# Altium PCB PCB22.PcbDoc (part 6 of 16)
Units mm, origin at the board's own origin, x right, y up, seen from the top; angles counter-clockwise.
Board outline 233.7 x 110.51 mm, 4 copper layers (Top Layer, Layer 1, Layer 2, Bottom Layer), stack 0.603 mm thick; 1249 components, 1355 nets, 4549 pads, 1315 vias.
Unrouted connection lines stored in the file: 1569.
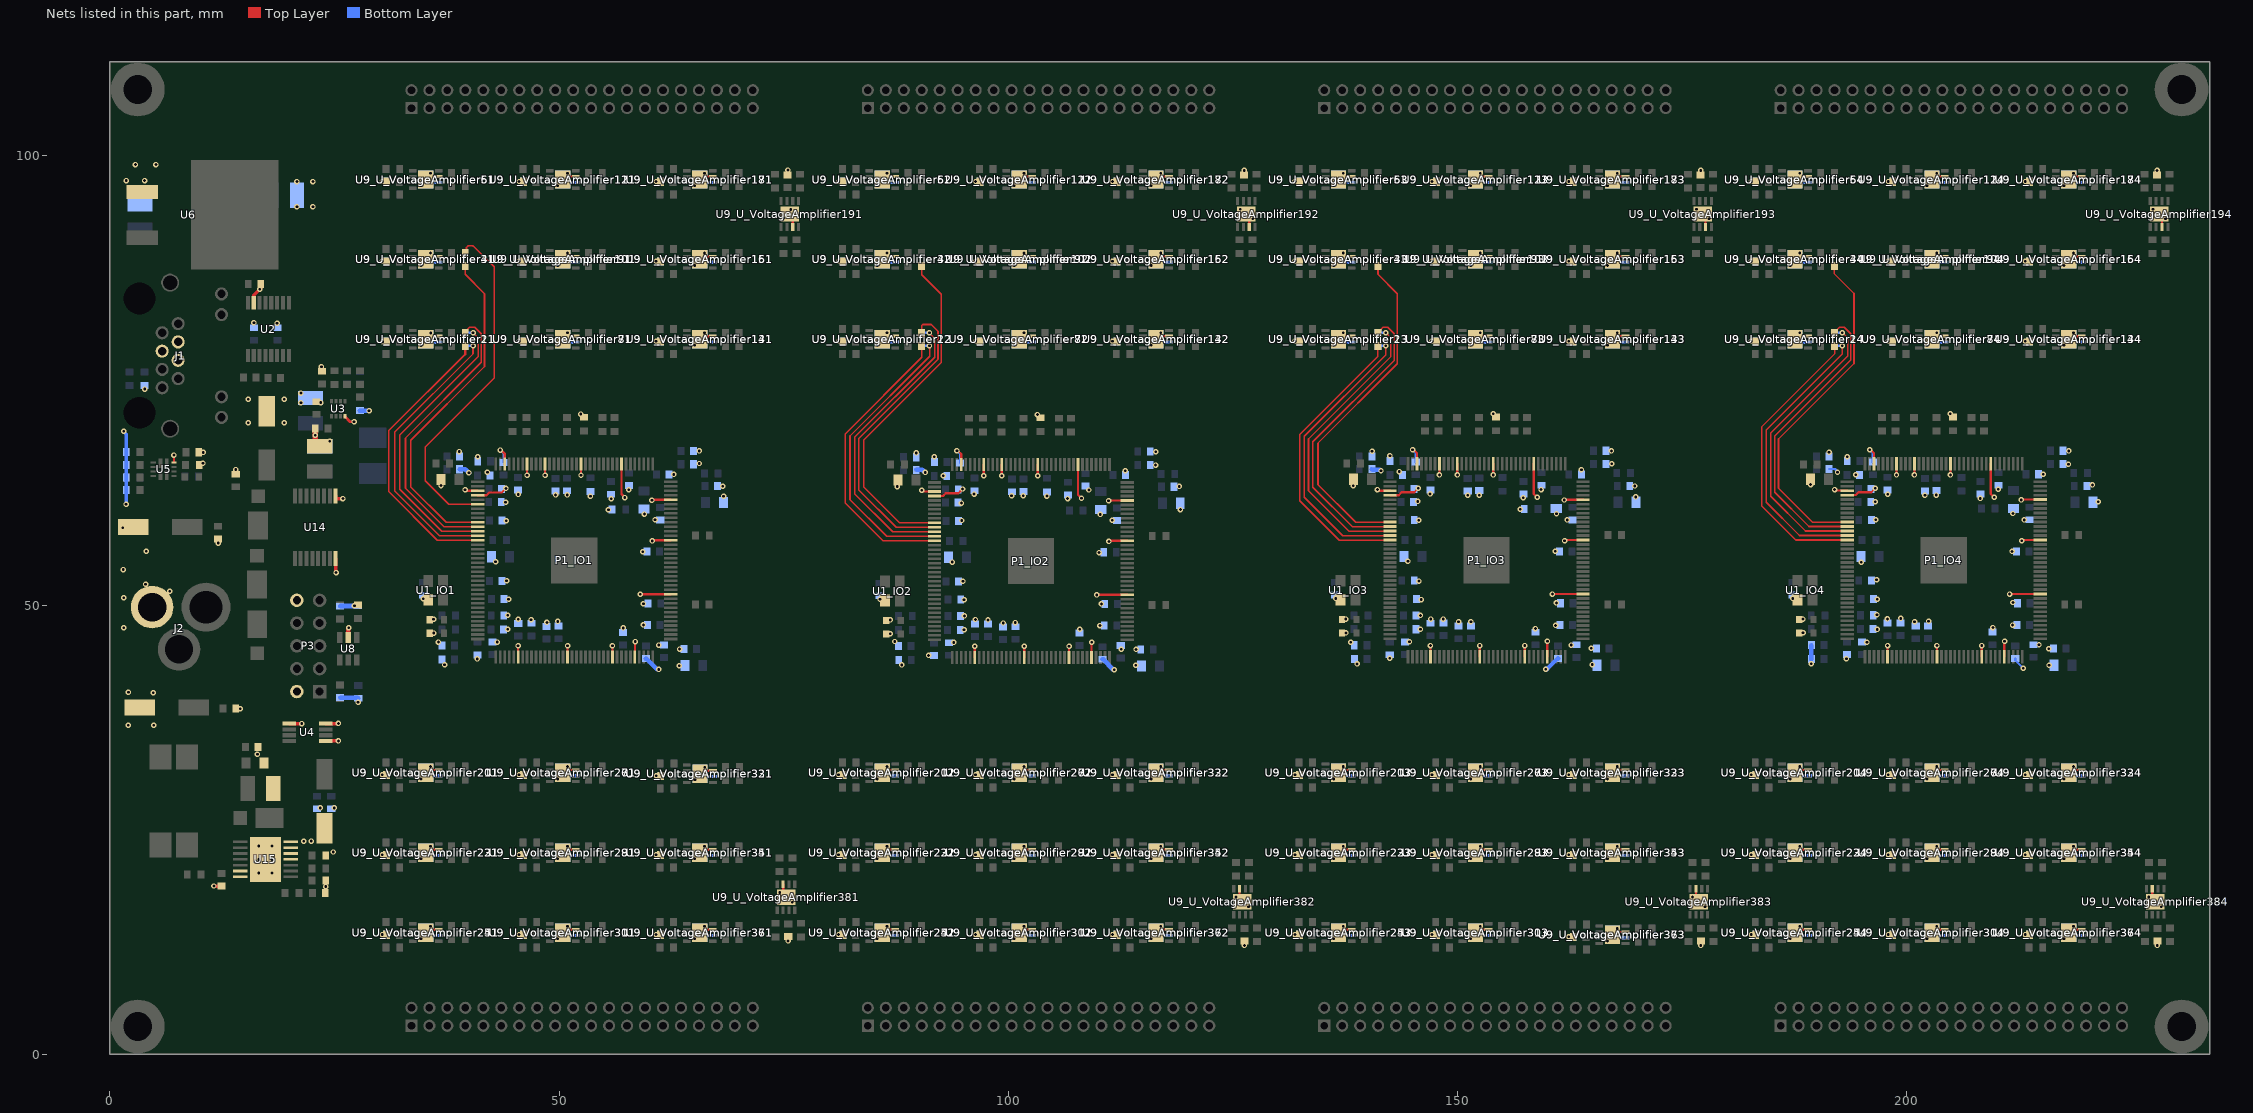
[diagram p8: the nets of this part, all layers, seen from the top]

## Via types
v1: diameter 0.61, hole 0.305, Top Layer to Bottom Layer, 1315 vias

## Nets (pads, with @x,y where several pads share a name; then routed paths per layer and width w, separated by ;. In a path a pad name is that pad's centre, name@x,y a point inside that pad or via, vN(x,y) a via of type N, cw(c..) or ccw(c..) an arc to the next point about the centre after c; other vN are vias at no path point) (continued)
GND: C1_IO1.1 C1_IO2.1 C1_IO3.1 C1_IO4.1 C2_POWER1.2 C2_POWER2.2 C2_POWER3.2 C2_POWER4.2 C3_POWER1.2 C3_POWER2.2 C3_POWER3.2 C3_POWER4.2 C4_POWER1.2 C4_POWER2.2 C4_POWER3.2 C4_POWER4.2 C5_POWER1.2 C5_POWER2.2 C5_POWER3.2 C5_POWER4.2 C6_POWER1.2 C6_POWER2.2 C6_POWER3.2 C6_POWER4.2 C7_POWER1.2 C7_POWER2.2 C7_POWER3.2 C7_POWER4.2 C8.1 C9_POWER1.2 C9_POWER2.2 C9_POWER3.2 C9_POWER4.2 C10_POWER1.1 C10_POWER2.1 C10_POWER3.1 C10_POWER4.1 C11_POWER1.1 C11_POWER2.1 C11_POWER3.1 C11_POWER4.1 C12_POWER1.2 C12_POWER2.2 C12_POWER3.2 C12_POWER4.2 C13_POWER1.2 C13_POWER2.2 C13_POWER3.2 C13_POWER4.2 C14.1 C15_POWER1.2 C15_POWER2.2 C15_POWER3.2 C15_POWER4.2 C16_POWER1.2 C16_POWER2.2 C16_POWER3.2 C16_POWER4.2 C17_POWER1.2 C17_POWER2.2 C17_POWER3.2 C17_POWER4.2 C19.1 C20.1 C21.1 C22.1 C23_POWER1.2 C23_POWER2.2 C23_POWER3.2 C23_POWER4.2 C24_POWER1.2 C24_POWER2.2 C24_POWER3.2 C24_POWER4.2 C26.1 C27.1 C28.1 C29.1 C30.1 C31.1 C32.1 C33.2 C34_U_VoltageAmplifier11.2 C34_U_VoltageAmplifier12.2 C34_U_VoltageAmplifier13.2 C34_U_VoltageAmplifier14.2 C34_U_VoltageAmplifier21.2 C34_U_VoltageAmplifier22.2 C34_U_VoltageAmplifier23.2 C34_U_VoltageAmplifier24.2 C34_U_VoltageAmplifier31.2 C34_U_VoltageAmplifier32.2 C34_U_VoltageAmplifier33.2 C34_U_VoltageAmplifier34.2 C34_U_VoltageAmplifier41.2 C34_U_VoltageAmplifier42.2 C34_U_VoltageAmplifier43.2 C34_U_VoltageAmplifier44.2 C34_U_VoltageAmplifier51.2 C34_U_VoltageAmplifier52.2 C34_U_VoltageAmplifier53.2 C34_U_VoltageAmplifier54.2 C34_U_VoltageAmplifier61.2 C34_U_VoltageAmplifier62.2 C34_U_VoltageAmplifier63.2 C34_U_VoltageAmplifier64.2 C34_U_VoltageAmplifier71.2 C34_U_VoltageAmplifier72.2 C34_U_VoltageAmplifier73.2 C34_U_VoltageAmplifier74.2 C34_U_VoltageAmplifier81.2 C34_U_VoltageAmplifier82.2 C34_U_VoltageAmplifier83.2 C34_U_VoltageAmplifier84.2 C34_U_VoltageAmplifier91.2 C34_U_VoltageAmplifier92.2 C34_U_VoltageAmplifier93.2 C34_U_VoltageAmplifier94.2 C34_U_VoltageAmplifier101.2 C34_U_VoltageAmplifier102.2 C34_U_VoltageAmplifier103.2 C34_U_VoltageAmplifier104.2 C34_U_VoltageAmplifier111.2 C34_U_VoltageAmplifier112.2 C34_U_VoltageAmplifier113.2 C34_U_VoltageAmplifier114.2 C34_U_VoltageAmplifier121.2 C34_U_VoltageAmplifier122.2 C34_U_VoltageAmplifier123.2 C34_U_VoltageAmplifier124.2 C34_U_VoltageAmplifier131.2 C34_U_VoltageAmplifier132.2 C34_U_VoltageAmplifier133.2 C34_U_VoltageAmplifier134.2 C34_U_VoltageAmplifier141.2 C34_U_VoltageAmplifier142.2 C34_U_VoltageAmplifier143.2 C34_U_VoltageAmplifier144.2 C34_U_VoltageAmplifier151.2 C34_U_VoltageAmplifier152.2 C34_U_VoltageAmplifier153.2 C34_U_VoltageAmplifier154.2 C34_U_VoltageAmplifier161.2 C34_U_VoltageAmplifier162.2 C34_U_VoltageAmplifier163.2 C34_U_VoltageAmplifier164.2 C34_U_VoltageAmplifier171.2 C34_U_VoltageAmplifier172.2 C34_U_VoltageAmplifier173.2 C34_U_VoltageAmplifier174.2 C34_U_VoltageAmplifier181.2 C34_U_VoltageAmplifier182.2 C34_U_VoltageAmplifier183.2 C34_U_VoltageAmplifier184.2 C34_U_VoltageAmplifier191.2 C34_U_VoltageAmplifier192.2 C34_U_VoltageAmplifier193.2 C34_U_VoltageAmplifier194.2 C34_U_VoltageAmplifier201.2 C34_U_VoltageAmplifier202.2 C34_U_VoltageAmplifier203.2 C34_U_VoltageAmplifier204.2 C34_U_VoltageAmplifier211.2 C34_U_VoltageAmplifier212.2 C34_U_VoltageAmplifier213.2 C34_U_VoltageAmplifier214.2 C34_U_VoltageAmplifier221.2 C34_U_VoltageAmplifier222.2 C34_U_VoltageAmplifier223.2 C34_U_VoltageAmplifier224.2 C34_U_VoltageAmplifier231.2 C34_U_VoltageAmplifier232.2 C34_U_VoltageAmplifier233.2 C34_U_VoltageAmplifier234.2 C34_U_VoltageAmplifier241.2 C34_U_VoltageAmplifier242.2 C34_U_VoltageAmplifier243.2 C34_U_VoltageAmplifier244.2 C34_U_VoltageAmplifier251.2 C34_U_VoltageAmplifier252.2 C34_U_VoltageAmplifier253.2 C34_U_VoltageAmplifier254.2 C34_U_VoltageAmplifier261.2 C34_U_VoltageAmplifier262.2 C34_U_VoltageAmplifier263.2 C34_U_VoltageAmplifier264.2 C34_U_VoltageAmplifier271.2 C34_U_VoltageAmplifier272.2 C34_U_VoltageAmplifier273.2 C34_U_VoltageAmplifier274.2 C34_U_VoltageAmplifier281.2 C34_U_VoltageAmplifier282.2 C34_U_VoltageAmplifier283.2 C34_U_VoltageAmplifier284.2 C34_U_VoltageAmplifier291.2 C34_U_VoltageAmplifier292.2 C34_U_VoltageAmplifier293.2 C34_U_VoltageAmplifier294.2 C34_U_VoltageAmplifier301.2 C34_U_VoltageAmplifier302.2 C34_U_VoltageAmplifier303.2 C34_U_VoltageAmplifier304.2 C34_U_VoltageAmplifier311.2 C34_U_VoltageAmplifier312.2 C34_U_VoltageAmplifier313.2 C34_U_VoltageAmplifier314.2 C34_U_VoltageAmplifier321.2 C34_U_VoltageAmplifier322.2 C34_U_VoltageAmplifier323.2 C34_U_VoltageAmplifier324.2 C34_U_VoltageAmplifier331.2 C34_U_VoltageAmplifier332.2 C34_U_VoltageAmplifier333.2 C34_U_VoltageAmplifier334.2 C34_U_VoltageAmplifier341.2 C34_U_VoltageAmplifier342.2 C34_U_VoltageAmplifier343.2 C34_U_VoltageAmplifier344.2 C34_U_VoltageAmplifier351.2 C34_U_VoltageAmplifier352.2 C34_U_VoltageAmplifier353.2 C34_U_VoltageAmplifier354.2 C34_U_VoltageAmplifier361.2 C34_U_VoltageAmplifier362.2 C34_U_VoltageAmplifier363.2 C34_U_VoltageAmplifier364.2 C34_U_VoltageAmplifier371.2 C34_U_VoltageAmplifier372.2 C34_U_VoltageAmplifier373.2 C34_U_VoltageAmplifier374.2 C34_U_VoltageAmplifier381.2 C34_U_VoltageAmplifier382.2 C34_U_VoltageAmplifier383.2 C34_U_VoltageAmplifier384.2 C35.1 C36.1 C37.1 C38.1 C39.1 C41.1 C42.1 C44.1 C45_POWER1.2 C45_POWER2.2 C45_POWER3.2 C45_POWER4.2 C46_POWER1.1 C46_POWER2.1 C46_POWER3.1 C46_POWER4.1 C47_POWER1.2 C47_POWER2.2 C47_POWER3.2 C47_POWER4.2 C48_POWER1.2 C48_POWER2.2 C48_POWER3.2 C48_POWER4.2 C49_POWER1.2 C49_POWER2.2 C49_POWER3.2 C49_POWER4.2 C51_POWER1.2 C51_POWER2.2 C51_POWER3.2 C51_POWER4.2 C52_POWER1.2 C52_POWER2.2 C52_POWER3.2 C52_POWER4.2 C53_POWER1.2 C53_POWER2.2 C53_POWER3.2 C53_POWER4.2 C54_POWER1.2 C54_POWER2.2 C54_POWER3.2 C54_POWER4.2 C55_POWER1.1 C55_POWER2.1 C55_POWER3.1 C55_POWER4.1 C56_POWER1.1 C56_POWER2.1 C56_POWER3.1 C56_POWER4.1 C57_POWER1.2 C57_POWER2.2 C57_POWER3.2 C57_POWER4.2 C58_POWER1.2 C58_POWER2.2 C58_POWER3.2 C58_POWER4.2 C59_POWER1.2 C59_POWER2.2 C59_POWER3.2 C59_POWER4.2 C60_POWER1.2 C60_POWER2.2 C60_POWER3.2 C60_POWER4.2 C61_POWER1.2 C61_POWER2.2 C61_POWER3.2 C61_POWER4.2 C62_POWER1.2 C62_POWER2.2 C62_POWER3.2 C62_POWER4.2 C63.1 C64_POWER1.2 C64_POWER2.2 C64_POWER3.2 C64_POWER4.2 C65_POWER1.2 C65_POWER2.2 C65_POWER3.2 C65_POWER4.2 C66_POWER1.2 C66_POWER2.2 C66_POWER3.2 C66_POWER4.2 C67_POWER1.2 C67_POWER2.2 C67_POWER3.2 C67_POWER4.2 C68_POWER1.2 C68_POWER2.2 C68_POWER3.2 C68_POWER4.2 C69_POWER1.1 C69_POWER2.1 C69_POWER3.1 C69_POWER4.1 C70_POWER1.1 C70_POWER2.1 C70_POWER3.1 C70_POWER4.1 C71_POWER1.1 C71_POWER2.1 C71_POWER3.1 C71_POWER4.1 C72_POWER1.1 C72_POWER2.1 C72_POWER3.1 C72_POWER4.1 C73.2 C74.1 C75.1 C76.2 C77.1 C78.1 C79.2 D1_IO1.2 D1_IO2.2 D1_IO3.2 D1_IO4.2 D2_IO1.2 D2_IO2.2 D2_IO3.2 D2_IO4.2 J1.4 J1.5 J1.6 J2.2 P1_IO1.3 P1_IO1.4 P1_IO1.42 P1_IO1.53 P1_IO1.63 P1_IO1.68 P1_IO1.83 P1_IO1.95 P1_IO1.104 P1_IO1.116 P1_IO1.125 P1_IO1.133 P1_IO1.137 P1_IO1.142 P1_IO2.3 P1_IO2.4 P1_IO2.42 P1_IO2.53 P1_IO2.63 P1_IO2.68 P1_IO2.83 P1_IO2.95 P1_IO2.104 P1_IO2.116 P1_IO2.125 P1_IO2.133 P1_IO2.137 P1_IO2.142 P1_IO3.3 P1_IO3.4 P1_IO3.42 P1_IO3.53 P1_IO3.63 P1_IO3.68 P1_IO3.83 P1_IO3.95 P1_IO3.104 P1_IO3.116 P1_IO3.125 P1_IO3.133 P1_IO3.137 P1_IO3.142 P1_IO4.3 P1_IO4.4 P1_IO4.42 P1_IO4.53 P1_IO4.63 P1_IO4.68 P1_IO4.83 P1_IO4.95 P1_IO4.104 P1_IO4.116 P1_IO4.125 P1_IO4.133 P1_IO4.137 P1_IO4.142 P3.2 P3.10 R9.2 R12.1 R13_IO1.1 R13_IO2.1 R13_IO3.1 R13_IO4.1 R19.2 R23.2 R24.2 R25.2 R32.2 R38.1 R39.2 R40.2 R43.1 R44.2 R48.1 R49.1 U1_IO1.2 U1_IO2.2 U1_IO3.2 U1_IO4.2 U2.15 U3.4 U4.1 U4.4 U4.5 U5.12 U6.1 U8.2 U9_U_VoltageAmplifier11.3 U9_U_VoltageAmplifier11.9 U9_U_VoltageAmplifier12.3 U9_U_VoltageAmplifier12.9 U9_U_VoltageAmplifier13.3 U9_U_VoltageAmplifier13.9 U9_U_VoltageAmplifier14.3 U9_U_VoltageAmplifier14.9 U9_U_VoltageAmplifier21.3 U9_U_VoltageAmplifier21.9 U9_U_VoltageAmplifier22.3 U9_U_VoltageAmplifier22.9 U9_U_VoltageAmplifier23.3 U9_U_VoltageAmplifier23.9 U9_U_VoltageAmplifier24.3 U9_U_VoltageAmplifier24.9 U9_U_VoltageAmplifier31.3 U9_U_VoltageAmplifier31.9 U9_U_VoltageAmplifier32.3 U9_U_VoltageAmplifier32.9 U9_U_VoltageAmplifier33.3 U9_U_VoltageAmplifier33.9 U9_U_VoltageAmplifier34.3 U9_U_VoltageAmplifier34.9 U9_U_VoltageAmplifier41.3 U9_U_VoltageAmplifier41.9 U9_U_VoltageAmplifier42.3 U9_U_VoltageAmplifier42.9 U9_U_VoltageAmplifier43.3 U9_U_VoltageAmplifier43.9 U9_U_VoltageAmplifier44.3 U9_U_VoltageAmplifier44.9 U9_U_VoltageAmplifier51.3 U9_U_VoltageAmplifier51.9 U9_U_VoltageAmplifier52.3 U9_U_VoltageAmplifier52.9 U9_U_VoltageAmplifier53.3 U9_U_VoltageAmplifier53.9 U9_U_VoltageAmplifier54.3 U9_U_VoltageAmplifier54.9 U9_U_VoltageAmplifier61.3 U9_U_VoltageAmplifier61.9 U9_U_VoltageAmplifier62.3 U9_U_VoltageAmplifier62.9 U9_U_VoltageAmplifier63.3 U9_U_VoltageAmplifier63.9 U9_U_VoltageAmplifier64.3 U9_U_VoltageAmplifier64.9 U9_U_VoltageAmplifier71.3 U9_U_VoltageAmplifier71.9 U9_U_VoltageAmplifier72.3 U9_U_VoltageAmplifier72.9 U9_U_VoltageAmplifier73.3 U9_U_VoltageAmplifier73.9 U9_U_VoltageAmplifier74.3 U9_U_VoltageAmplifier74.9 U9_U_VoltageAmplifier81.3 U9_U_VoltageAmplifier81.9 U9_U_VoltageAmplifier82.3 U9_U_VoltageAmplifier82.9 U9_U_VoltageAmplifier83.3 U9_U_VoltageAmplifier83.9 U9_U_VoltageAmplifier84.3 U9_U_VoltageAmplifier84.9 U9_U_VoltageAmplifier91.3 U9_U_VoltageAmplifier91.9 U9_U_VoltageAmplifier92.3 U9_U_VoltageAmplifier92.9 U9_U_VoltageAmplifier93.3 U9_U_VoltageAmplifier93.9 U9_U_VoltageAmplifier94.3 U9_U_VoltageAmplifier94.9 U9_U_VoltageAmplifier101.3 U9_U_VoltageAmplifier101.9 U9_U_VoltageAmplifier102.3 U9_U_VoltageAmplifier102.9 U9_U_VoltageAmplifier103.3 U9_U_VoltageAmplifier103.9 U9_U_VoltageAmplifier104.3 U9_U_VoltageAmplifier104.9 U9_U_VoltageAmplifier111.3 U9_U_VoltageAmplifier111.9 U9_U_VoltageAmplifier112.3 U9_U_VoltageAmplifier112.9 U9_U_VoltageAmplifier113.3 U9_U_VoltageAmplifier113.9 U9_U_VoltageAmplifier114.3 U9_U_VoltageAmplifier114.9 U9_U_VoltageAmplifier121.3 U9_U_VoltageAmplifier121.9 U9_U_VoltageAmplifier122.3 U9_U_VoltageAmplifier122.9 U9_U_VoltageAmplifier123.3 U9_U_VoltageAmplifier123.9 U9_U_VoltageAmplifier124.3 U9_U_VoltageAmplifier124.9 U9_U_VoltageAmplifier131.3 U9_U_VoltageAmplifier131.9 U9_U_VoltageAmplifier132.3 U9_U_VoltageAmplifier132.9 U9_U_VoltageAmplifier133.3 U9_U_VoltageAmplifier133.9 U9_U_VoltageAmplifier134.3 U9_U_VoltageAmplifier134.9 U9_U_VoltageAmplifier141.3 U9_U_VoltageAmplifier141.9 U9_U_VoltageAmplifier142.3 U9_U_VoltageAmplifier142.9 U9_U_VoltageAmplifier143.3 U9_U_VoltageAmplifier143.9 U9_U_VoltageAmplifier144.3 U9_U_VoltageAmplifier144.9 U9_U_VoltageAmplifier151.3 U9_U_VoltageAmplifier151.9 U9_U_VoltageAmplifier152.3 U9_U_VoltageAmplifier152.9 U9_U_VoltageAmplifier153.3 U9_U_VoltageAmplifier153.9 U9_U_VoltageAmplifier154.3 U9_U_VoltageAmplifier154.9 U9_U_VoltageAmplifier161.3 U9_U_VoltageAmplifier161.9 U9_U_VoltageAmplifier162.3 U9_U_VoltageAmplifier162.9 U9_U_VoltageAmplifier163.3 U9_U_VoltageAmplifier163.9 U9_U_VoltageAmplifier164.3 U9_U_VoltageAmplifier164.9 U9_U_VoltageAmplifier171.3 U9_U_VoltageAmplifier171.9 U9_U_VoltageAmplifier172.3 U9_U_VoltageAmplifier172.9 U9_U_VoltageAmplifier173.3 U9_U_VoltageAmplifier173.9 U9_U_VoltageAmplifier174.3 U9_U_VoltageAmplifier174.9 U9_U_VoltageAmplifier181.3 U9_U_VoltageAmplifier181.9 U9_U_VoltageAmplifier182.3 U9_U_VoltageAmplifier182.9 U9_U_VoltageAmplifier183.3 U9_U_VoltageAmplifier183.9 U9_U_VoltageAmplifier184.3 U9_U_VoltageAmplifier184.9 U9_U_VoltageAmplifier191.3 U9_U_VoltageAmplifier191.9 U9_U_VoltageAmplifier192.3 U9_U_VoltageAmplifier192.9 U9_U_VoltageAmplifier193.3 U9_U_VoltageAmplifier193.9 U9_U_VoltageAmplifier194.3 U9_U_VoltageAmplifier194.9 U9_U_VoltageAmplifier201.3 U9_U_VoltageAmplifier201.9 U9_U_VoltageAmplifier202.3 U9_U_VoltageAmplifier202.9 U9_U_VoltageAmplifier203.3 U9_U_VoltageAmplifier203.9 U9_U_VoltageAmplifier204.3 U9_U_VoltageAmplifier204.9 U9_U_VoltageAmplifier211.3 U9_U_VoltageAmplifier211.9 U9_U_VoltageAmplifier212.3 U9_U_VoltageAmplifier212.9 U9_U_VoltageAmplifier213.3 U9_U_VoltageAmplifier213.9 U9_U_VoltageAmplifier214.3 U9_U_VoltageAmplifier214.9 U9_U_VoltageAmplifier221.3 U9_U_VoltageAmplifier221.9 U9_U_VoltageAmplifier222.3 U9_U_VoltageAmplifier222.9 U9_U_VoltageAmplifier223.3 U9_U_VoltageAmplifier223.9 U9_U_VoltageAmplifier224.3 U9_U_VoltageAmplifier224.9 U9_U_VoltageAmplifier231.3 U9_U_VoltageAmplifier231.9 U9_U_VoltageAmplifier232.3 U9_U_VoltageAmplifier232.9 U9_U_VoltageAmplifier233.3 U9_U_VoltageAmplifier233.9 U9_U_VoltageAmplifier234.3 U9_U_VoltageAmplifier234.9 U9_U_VoltageAmplifier241.3 U9_U_VoltageAmplifier241.9 U9_U_VoltageAmplifier242.3 U9_U_VoltageAmplifier242.9 U9_U_VoltageAmplifier243.3 U9_U_VoltageAmplifier243.9 U9_U_VoltageAmplifier244.3 U9_U_VoltageAmplifier244.9 U9_U_VoltageAmplifier251.3 U9_U_VoltageAmplifier251.9 U9_U_VoltageAmplifier252.3 U9_U_VoltageAmplifier252.9 U9_U_VoltageAmplifier253.3 U9_U_VoltageAmplifier253.9 U9_U_VoltageAmplifier254.3 U9_U_VoltageAmplifier254.9 U9_U_VoltageAmplifier261.3 U9_U_VoltageAmplifier261.9 U9_U_VoltageAmplifier262.3 U9_U_VoltageAmplifier262.9 U9_U_VoltageAmplifier263.3 U9_U_VoltageAmplifier263.9 U9_U_VoltageAmplifier264.3 U9_U_VoltageAmplifier264.9 U9_U_VoltageAmplifier271.3 U9_U_VoltageAmplifier271.9 U9_U_VoltageAmplifier272.3 U9_U_VoltageAmplifier272.9 U9_U_VoltageAmplifier273.3 U9_U_VoltageAmplifier273.9 U9_U_VoltageAmplifier274.3 U9_U_VoltageAmplifier274.9 U9_U_VoltageAmplifier281.3 U9_U_VoltageAmplifier281.9 U9_U_VoltageAmplifier282.3 U9_U_VoltageAmplifier282.9 U9_U_VoltageAmplifier283.3 U9_U_VoltageAmplifier283.9 U9_U_VoltageAmplifier284.3 U9_U_VoltageAmplifier284.9 U9_U_VoltageAmplifier291.3 U9_U_VoltageAmplifier291.9 U9_U_VoltageAmplifier292.3 U9_U_VoltageAmplifier292.9 U9_U_VoltageAmplifier293.3 U9_U_VoltageAmplifier293.9 U9_U_VoltageAmplifier294.3 U9_U_VoltageAmplifier294.9 U9_U_VoltageAmplifier301.3 U9_U_VoltageAmplifier301.9 U9_U_VoltageAmplifier302.3 U9_U_VoltageAmplifier302.9 U9_U_VoltageAmplifier303.3 U9_U_VoltageAmplifier303.9 U9_U_VoltageAmplifier304.3 U9_U_VoltageAmplifier304.9 U9_U_VoltageAmplifier311.3 U9_U_VoltageAmplifier311.9 U9_U_VoltageAmplifier312.3 U9_U_VoltageAmplifier312.9 U9_U_VoltageAmplifier313.3 U9_U_VoltageAmplifier313.9 U9_U_VoltageAmplifier314.3 U9_U_VoltageAmplifier314.9 U9_U_VoltageAmplifier321.3 U9_U_VoltageAmplifier321.9 U9_U_VoltageAmplifier322.3 U9_U_VoltageAmplifier322.9 U9_U_VoltageAmplifier323.3 U9_U_VoltageAmplifier323.9 U9_U_VoltageAmplifier324.3 U9_U_VoltageAmplifier324.9 U9_U_VoltageAmplifier331.3 U9_U_VoltageAmplifier331.9 U9_U_VoltageAmplifier332.3 U9_U_VoltageAmplifier332.9 U9_U_VoltageAmplifier333.3 U9_U_VoltageAmplifier333.9 U9_U_VoltageAmplifier334.3 U9_U_VoltageAmplifier334.9 U9_U_VoltageAmplifier341.3 U9_U_VoltageAmplifier341.9 U9_U_VoltageAmplifier342.3 U9_U_VoltageAmplifier342.9 U9_U_VoltageAmplifier343.3 U9_U_VoltageAmplifier343.9 U9_U_VoltageAmplifier344.3 U9_U_VoltageAmplifier344.9 U9_U_VoltageAmplifier351.3 U9_U_VoltageAmplifier351.9 U9_U_VoltageAmplifier352.3 U9_U_VoltageAmplifier352.9 U9_U_VoltageAmplifier353.3 U9_U_VoltageAmplifier353.9 U9_U_VoltageAmplifier354.3 U9_U_VoltageAmplifier354.9 U9_U_VoltageAmplifier361.3 U9_U_VoltageAmplifier361.9 U9_U_VoltageAmplifier362.3 U9_U_VoltageAmplifier362.9 U9_U_VoltageAmplifier363.3 U9_U_VoltageAmplifier363.9 U9_U_VoltageAmplifier364.3 U9_U_VoltageAmplifier364.9 U9_U_VoltageAmplifier371.3 U9_U_VoltageAmplifier371.9 U9_U_VoltageAmplifier372.3 U9_U_VoltageAmplifier372.9 U9_U_VoltageAmplifier373.3 U9_U_VoltageAmplifier373.9 U9_U_VoltageAmplifier374.3 U9_U_VoltageAmplifier374.9 U9_U_VoltageAmplifier381.3 U9_U_VoltageAmplifier381.9 U9_U_VoltageAmplifier382.3 U9_U_VoltageAmplifier382.9 U9_U_VoltageAmplifier383.3 U9_U_VoltageAmplifier383.9 U9_U_VoltageAmplifier384.3 U9_U_VoltageAmplifier384.9 U14.8 U14.9 U15.6 U15.7 U15.11 U15.12 U15.13 U15.14 U15.15 U15.16 U15.17 U15.18 U15.19 U15.20 U15.21 | length 401.4
  Top Layer w0.254: U5.12@7.129,65.896 v1(7.129,66.714) ; C35.1@23.96,17.958 24.022,18.02 R9.2@24.022,19.338 ; U9_U_VoltageAmplifier241.9@35.158,13.563 35.483,13.888 U9_U_VoltageAmplifier241.3@36.608,13.888 ; U9_U_VoltageAmplifier221.9@35.158,22.453 35.483,22.778 U9_U_VoltageAmplifier221.3@36.608,22.778 ; U9_U_VoltageAmplifier201.9@35.158,31.343 35.483,31.668 U9_U_VoltageAmplifier201.3@36.608,31.668 ; U9_U_VoltageAmplifier11.9@35.158,79.603 35.483,79.928 U9_U_VoltageAmplifier11.3@36.608,79.928 ; U9_U_VoltageAmplifier31.9@35.158,88.493 35.483,88.818 U9_U_VoltageAmplifier31.3@36.608,88.818 ; U9_U_VoltageAmplifier51.9@35.158,97.383 35.483,97.708 U9_U_VoltageAmplifier51.3@36.608,97.708 ; v1(39.534,62.847) 39.652,62.729 P1_IO1.3@40.944,62.729 ; P1_IO1.4@40.944,62.229 41.906,62.229 42.214,62.538 43.619,62.538 v1(44.081,62.999) ; v1(43.446,67.267) 43.547,67.267 43.932,66.882 P1_IO1.142@43.932,65.717 P1_IO1.142@43.909,65.694 ; P1_IO1.42@45.432,44.241 v1(45.432,45.484) ; v1(46.432,64.474) P1_IO1.137@46.432,65.717 ; v1(48.432,64.474) P1_IO1.133@48.432,65.717 ; U9_U_VoltageAmplifier301.9@50.398,13.563 50.723,13.888 U9_U_VoltageAmplifier301.3@51.848,13.888 ; U9_U_VoltageAmplifier281.9@50.398,22.453 50.723,22.778 U9_U_VoltageAmplifier281.3@51.848,22.778 ; U9_U_VoltageAmplifier261.9@50.398,31.343 50.723,31.668 U9_U_VoltageAmplifier261.3@51.848,31.668 ; U9_U_VoltageAmplifier71.9@50.398,79.603 50.723,79.928 U9_U_VoltageAmplifier71.3@51.848,79.928 ; U9_U_VoltageAmplifier91.9@50.398,88.493 50.723,88.818 U9_U_VoltageAmplifier91.3@51.848,88.818 ; U9_U_VoltageAmplifier111.9@50.398,97.383 50.723,97.708 U9_U_VoltageAmplifier111.3@51.848,97.708 ; P1_IO1.53@50.932,44.241 v1(50.932,45.484) ; v1(52.432,64.474) P1_IO1.125@52.432,65.717 ; P1_IO1.63@55.932,44.241 v1(55.932,45.484) ; P1_IO1.116@56.932,65.717 56.932,62.365 v1(57.314,61.983) ; P1_IO1.68@58.432,44.241 58.432,45.931 v1(58.457,45.956) ; v1(59.016,51.214) 58.932,51.214 58.94,51.221 62.412,51.221 P1_IO1.83@62.42,51.229 ; v1(60.323,61.688) 60.364,61.729 P1_IO1.104@62.42,61.729 ; v1(60.362,57.157) 60.458,57.157 60.53,57.229 P1_IO1.95@62.42,57.229 ; U9_U_VoltageAmplifier361.9@65.638,13.563 65.963,13.888 U9_U_VoltageAmplifier361.3@67.088,13.888 ; U9_U_VoltageAmplifier341.9@65.638,22.453 65.963,22.778 U9_U_VoltageAmplifier341.3@67.088,22.778 ; U9_U_VoltageAmplifier131.9@65.638,79.603 65.963,79.928 U9_U_VoltageAmplifier131.3@67.088,79.928 ; U9_U_VoltageAmplifier151.9@65.638,88.493 65.963,88.818 U9_U_VoltageAmplifier151.3@67.088,88.818 ; U9_U_VoltageAmplifier171.9@65.638,97.383 65.963,97.708 U9_U_VoltageAmplifier171.3@67.088,97.708 ; U9_U_VoltageAmplifier321.9@65.668,31.252 65.993,31.577 U9_U_VoltageAmplifier321.3@67.118,31.577 ; U9_U_VoltageAmplifier381.3@74.932,18.938 74.932,17.813 U9_U_VoltageAmplifier381.9@75.257,17.488 ; U9_U_VoltageAmplifier191.9@75.683,93.54 76.008,93.215 U9_U_VoltageAmplifier191.3@76.008,92.09 ; U9_U_VoltageAmplifier242.9@85.958,13.563 86.283,13.888 U9_U_VoltageAmplifier242.3@87.408,13.888 ; U9_U_VoltageAmplifier222.9@85.958,22.453 86.283,22.778 U9_U_VoltageAmplifier222.3@87.408,22.778 ; U9_U_VoltageAmplifier202.9@85.958,31.343 86.283,31.668 U9_U_VoltageAmplifier202.3@87.408,31.668 ; U9_U_VoltageAmplifier12.9@85.958,79.603 86.283,79.928 U9_U_VoltageAmplifier12.3@87.408,79.928 ; U9_U_VoltageAmplifier32.9@85.958,88.493 86.283,88.818 U9_U_VoltageAmplifier32.3@87.408,88.818 ; U9_U_VoltageAmplifier52.9@85.958,97.383 86.283,97.708 U9_U_VoltageAmplifier52.3@87.408,97.708 ; v1(90.362,62.781) 90.48,62.663 P1_IO2.3@91.772,62.663 ; P1_IO2.4@91.772,62.163 92.734,62.163 93.042,62.472 94.447,62.472 v1(94.909,62.933) ; v1(94.274,67.201) 94.375,67.201 94.76,66.816 P1_IO2.142@94.76,65.651 P1_IO2.142@94.737,65.628 ; P1_IO2.42@96.26,44.175 v1(96.26,45.418) ; v1(97.26,64.408) P1_IO2.137@97.26,65.651 ; v1(99.26,64.408) P1_IO2.133@99.26,65.651 ; U9_U_VoltageAmplifier302.9@101.198,13.563 101.523,13.888 U9_U_VoltageAmplifier302.3@102.648,13.888 ; U9_U_VoltageAmplifier282.9@101.198,22.453 101.523,22.778 U9_U_VoltageAmplifier282.3@102.648,22.778 ; U9_U_VoltageAmplifier262.9@101.198,31.343 101.523,31.668 U9_U_VoltageAmplifier262.3@102.648,31.668 ; U9_U_VoltageAmplifier72.9@101.198,79.603 101.523,79.928 U9_U_VoltageAmplifier72.3@102.648,79.928 ; U9_U_VoltageAmplifier92.9@101.198,88.493 101.523,88.818 U9_U_VoltageAmplifier92.3@102.648,88.818 ; U9_U_VoltageAmplifier112.9@101.198,97.383 101.523,97.708 U9_U_VoltageAmplifier112.3@102.648,97.708 ; P1_IO2.53@101.76,44.175 v1(101.76,45.418) ; v1(103.26,64.408) P1_IO2.125@103.26,65.651 ; P1_IO2.63@106.76,44.175 v1(106.76,45.418) ; P1_IO2.116@107.76,65.651 107.76,62.299 v1(108.142,61.917) ; P1_IO2.68@109.26,44.175 109.26,45.865 v1(109.285,45.89) ; v1(109.844,51.148) 109.76,51.148 109.768,51.155 113.24,51.155 P1_IO2.83@113.248,51.163 ; v1(111.151,61.622) 111.192,61.663 P1_IO2.104@113.248,61.663 ; v1(111.19,57.091) 111.286,57.091 111.358,57.163 P1_IO2.95@113.248,57.163 ; U9_U_VoltageAmplifier362.9@116.438,13.563 116.763,13.888 U9_U_VoltageAmplifier362.3@117.888,13.888 ; U9_U_VoltageAmplifier342.9@116.438,22.453 116.763,22.778 U9_U_VoltageAmplifier342.3@117.888,22.778 ; U9_U_VoltageAmplifier322.9@116.438,31.343 116.763,31.668 U9_U_VoltageAmplifier322.3@117.888,31.668 ; U9_U_VoltageAmplifier132.9@116.438,79.603 116.763,79.928 U9_U_VoltageAmplifier132.3@117.888,79.928 ; U9_U_VoltageAmplifier152.9@116.438,88.493 116.763,88.818 U9_U_VoltageAmplifier152.3@117.888,88.818 ; U9_U_VoltageAmplifier172.9@116.438,97.383 116.763,97.708 U9_U_VoltageAmplifier172.3@117.888,97.708 ; U9_U_VoltageAmplifier382.3@125.732,18.43 125.732,17.305 U9_U_VoltageAmplifier382.9@126.057,16.98 ; U9_U_VoltageAmplifier192.9@126.483,93.54 126.808,93.215 U9_U_VoltageAmplifier192.3@126.808,92.09 ; U9_U_VoltageAmplifier243.9@136.758,13.563 137.083,13.888 U9_U_VoltageAmplifier243.3@138.208,13.888 ; U9_U_VoltageAmplifier223.9@136.758,22.453 137.083,22.778 U9_U_VoltageAmplifier223.3@138.208,22.778 ; U9_U_VoltageAmplifier203.9@136.758,31.343 137.083,31.668 U9_U_VoltageAmplifier203.3@138.208,31.668 ; U9_U_VoltageAmplifier13.9@136.758,79.603 137.083,79.928 U9_U_VoltageAmplifier13.3@138.208,79.928 ; U9_U_VoltageAmplifier33.9@136.758,88.493 137.083,88.818 U9_U_VoltageAmplifier33.3@138.208,88.818 ; U9_U_VoltageAmplifier53.9@136.758,97.383 137.083,97.708 U9_U_VoltageAmplifier53.3@138.208,97.708 ; v1(141.083,62.869) 141.201,62.751 P1_IO3.3@142.493,62.751 ; P1_IO3.4@142.493,62.251 143.455,62.251 143.764,62.56 145.169,62.56 v1(145.63,63.021) ; v1(144.995,67.288) 145.096,67.288 145.481,66.903 P1_IO3.142@145.481,65.739 P1_IO3.142@145.458,65.716 ; P1_IO3.42@146.981,44.263 v1(146.981,45.506) ; v1(147.981,64.496) P1_IO3.137@147.981,65.739 ; v1(149.981,64.496) P1_IO3.133@149.981,65.739 ; U9_U_VoltageAmplifier303.9@151.998,13.563 152.323,13.888 U9_U_VoltageAmplifier303.3@153.448,13.888 ; U9_U_VoltageAmplifier283.9@151.998,22.453 152.323,22.778 U9_U_VoltageAmplifier283.3@153.448,22.778 ; U9_U_VoltageAmplifier263.9@151.998,31.343 152.323,31.668 U9_U_VoltageAmplifier263.3@153.448,31.668 ; U9_U_VoltageAmplifier73.9@151.998,79.603 152.323,79.928 U9_U_VoltageAmplifier73.3@153.448,79.928 ; U9_U_VoltageAmplifier93.9@151.998,88.493 152.323,88.818 U9_U_VoltageAmplifier93.3@153.448,88.818 ; U9_U_VoltageAmplifier113.9@151.998,97.383 152.323,97.708 U9_U_VoltageAmplifier113.3@153.448,97.708 ; P1_IO3.53@152.481,44.263 v1(152.481,45.506) ; v1(153.981,64.496) P1_IO3.125@153.981,65.739 ; P1_IO3.63@157.481,44.263 v1(157.481,45.506) ; P1_IO3.116@158.481,65.739 158.481,62.387 v1(158.863,62.005) ; P1_IO3.68@159.981,44.263 159.981,45.953 v1(160.006,45.978) ; v1(160.565,51.235) 160.482,51.235 160.489,51.243 163.962,51.243 P1_IO3.83@163.969,51.251 ; v1(161.872,61.71) 161.913,61.751 P1_IO3.104@163.969,61.751 ; v1(161.911,57.179) 162.008,57.179 162.079,57.251 P1_IO3.95@163.969,57.251 ; U9_U_VoltageAmplifier363.9@167.238,13.309 167.563,13.634 U9_U_VoltageAmplifier363.3@168.688,13.634 ; U9_U_VoltageAmplifier343.9@167.238,22.453 167.563,22.778 U9_U_VoltageAmplifier343.3@168.688,22.778 ; U9_U_VoltageAmplifier323.9@167.238,31.343 167.563,31.668 U9_U_VoltageAmplifier323.3@168.688,31.668 ; U9_U_VoltageAmplifier133.9@167.238,79.603 167.563,79.928 U9_U_VoltageAmplifier133.3@168.688,79.928 ; U9_U_VoltageAmplifier153.9@167.238,88.493 167.563,88.818 U9_U_VoltageAmplifier153.3@168.688,88.818 ; U9_U_VoltageAmplifier173.9@167.238,97.383 167.563,97.708 U9_U_VoltageAmplifier173.3@168.688,97.708 ; U9_U_VoltageAmplifier383.3@176.532,18.43 176.532,17.305 U9_U_VoltageAmplifier383.9@176.857,16.98 ; U9_U_VoltageAmplifier193.9@177.283,93.54 177.608,93.215 U9_U_VoltageAmplifier193.3@177.608,92.09 ; U9_U_VoltageAmplifier244.9@187.558,13.563 187.883,13.888 U9_U_VoltageAmplifier244.3@189.008,13.888 ; U9_U_VoltageAmplifier224.9@187.558,22.453 187.883,22.778 U9_U_VoltageAmplifier224.3@189.008,22.778 ; U9_U_VoltageAmplifier204.9@187.558,31.343 187.883,31.668 U9_U_VoltageAmplifier204.3@189.008,31.668 ; U9_U_VoltageAmplifier14.9@187.558,79.603 187.883,79.928 U9_U_VoltageAmplifier14.3@189.008,79.928 ; U9_U_VoltageAmplifier34.9@187.558,88.493 187.883,88.818 U9_U_VoltageAmplifier34.3@189.008,88.818 ; U9_U_VoltageAmplifier54.9@187.558,97.383 187.883,97.708 U9_U_VoltageAmplifier54.3@189.008,97.708 ; v1(191.959,62.872) 192.077,62.755 P1_IO4.3@193.369,62.755 ; P1_IO4.4@193.369,62.255 194.331,62.255 194.64,62.563 196.045,62.563 v1(196.506,63.025) ; v1(195.871,67.292) 195.973,67.292 196.357,66.907 P1_IO4.142@196.357,65.743 P1_IO4.142@196.334,65.72 ; P1_IO4.42@197.857,44.267 v1(197.857,45.51) ; v1(198.857,64.499) P1_IO4.137@198.857,65.743 ; v1(200.857,64.499) P1_IO4.133@200.857,65.743 ; U9_U_VoltageAmplifier304.9@202.798,13.563 203.123,13.888 U9_U_VoltageAmplifier304.3@204.248,13.888 ; U9_U_VoltageAmplifier284.9@202.798,22.453 203.123,22.778 U9_U_VoltageAmplifier284.3@204.248,22.778 ; U9_U_VoltageAmplifier264.9@202.798,31.343 203.123,31.668 U9_U_VoltageAmplifier264.3@204.248,31.668 ; U9_U_VoltageAmplifier74.9@202.798,79.603 203.123,79.928 U9_U_VoltageAmplifier74.3@204.248,79.928 ; U9_U_VoltageAmplifier94.9@202.798,88.493 203.123,88.818 U9_U_VoltageAmplifier94.3@204.248,88.818 ; U9_U_VoltageAmplifier114.9@202.798,97.383 203.123,97.708 U9_U_VoltageAmplifier114.3@204.248,97.708 ; P1_IO4.53@203.357,44.267 v1(203.357,45.51) ; v1(204.857,64.499) P1_IO4.125@204.857,65.743 ; P1_IO4.63@208.357,44.267 v1(208.357,45.51) ; P1_IO4.116@209.357,65.743 209.357,62.391 v1(209.739,62.009) ; P1_IO4.68@210.857,44.267 210.857,45.956 v1(210.882,45.981) ; v1(211.441,51.239) 211.358,51.239 211.366,51.247 214.838,51.247 P1_IO4.83@214.845,51.255 ; v1(212.748,61.714) 212.789,61.755 P1_IO4.104@214.845,61.755 ; v1(212.787,57.183) 212.884,57.183 212.956,57.255 P1_IO4.95@214.845,57.255 ; U9_U_VoltageAmplifier364.9@218.038,13.563 218.363,13.888 U9_U_VoltageAmplifier364.3@219.488,13.888 ; U9_U_VoltageAmplifier344.9@218.038,22.453 218.363,22.778 U9_U_VoltageAmplifier344.3@219.488,22.778 ; U9_U_VoltageAmplifier324.9@218.038,31.343 218.363,31.668 U9_U_VoltageAmplifier324.3@219.488,31.668 ; U9_U_VoltageAmplifier134.9@218.038,79.603 218.363,79.928 U9_U_VoltageAmplifier134.3@219.488,79.928 ; U9_U_VoltageAmplifier154.9@218.038,88.493 218.363,88.818 U9_U_VoltageAmplifier154.3@219.488,88.818 ; U9_U_VoltageAmplifier174.9@218.038,97.383 218.363,97.708 U9_U_VoltageAmplifier174.3@219.488,97.708 ; U9_U_VoltageAmplifier384.3@227.332,18.43 227.332,17.305 U9_U_VoltageAmplifier384.9@227.657,16.98 ; U9_U_VoltageAmplifier194.9@228.083,93.54 228.408,93.215 U9_U_VoltageAmplifier194.3@228.408,92.09